# Altium PCB Main_Board.PcbDoc (part 1 of 2) (continued)
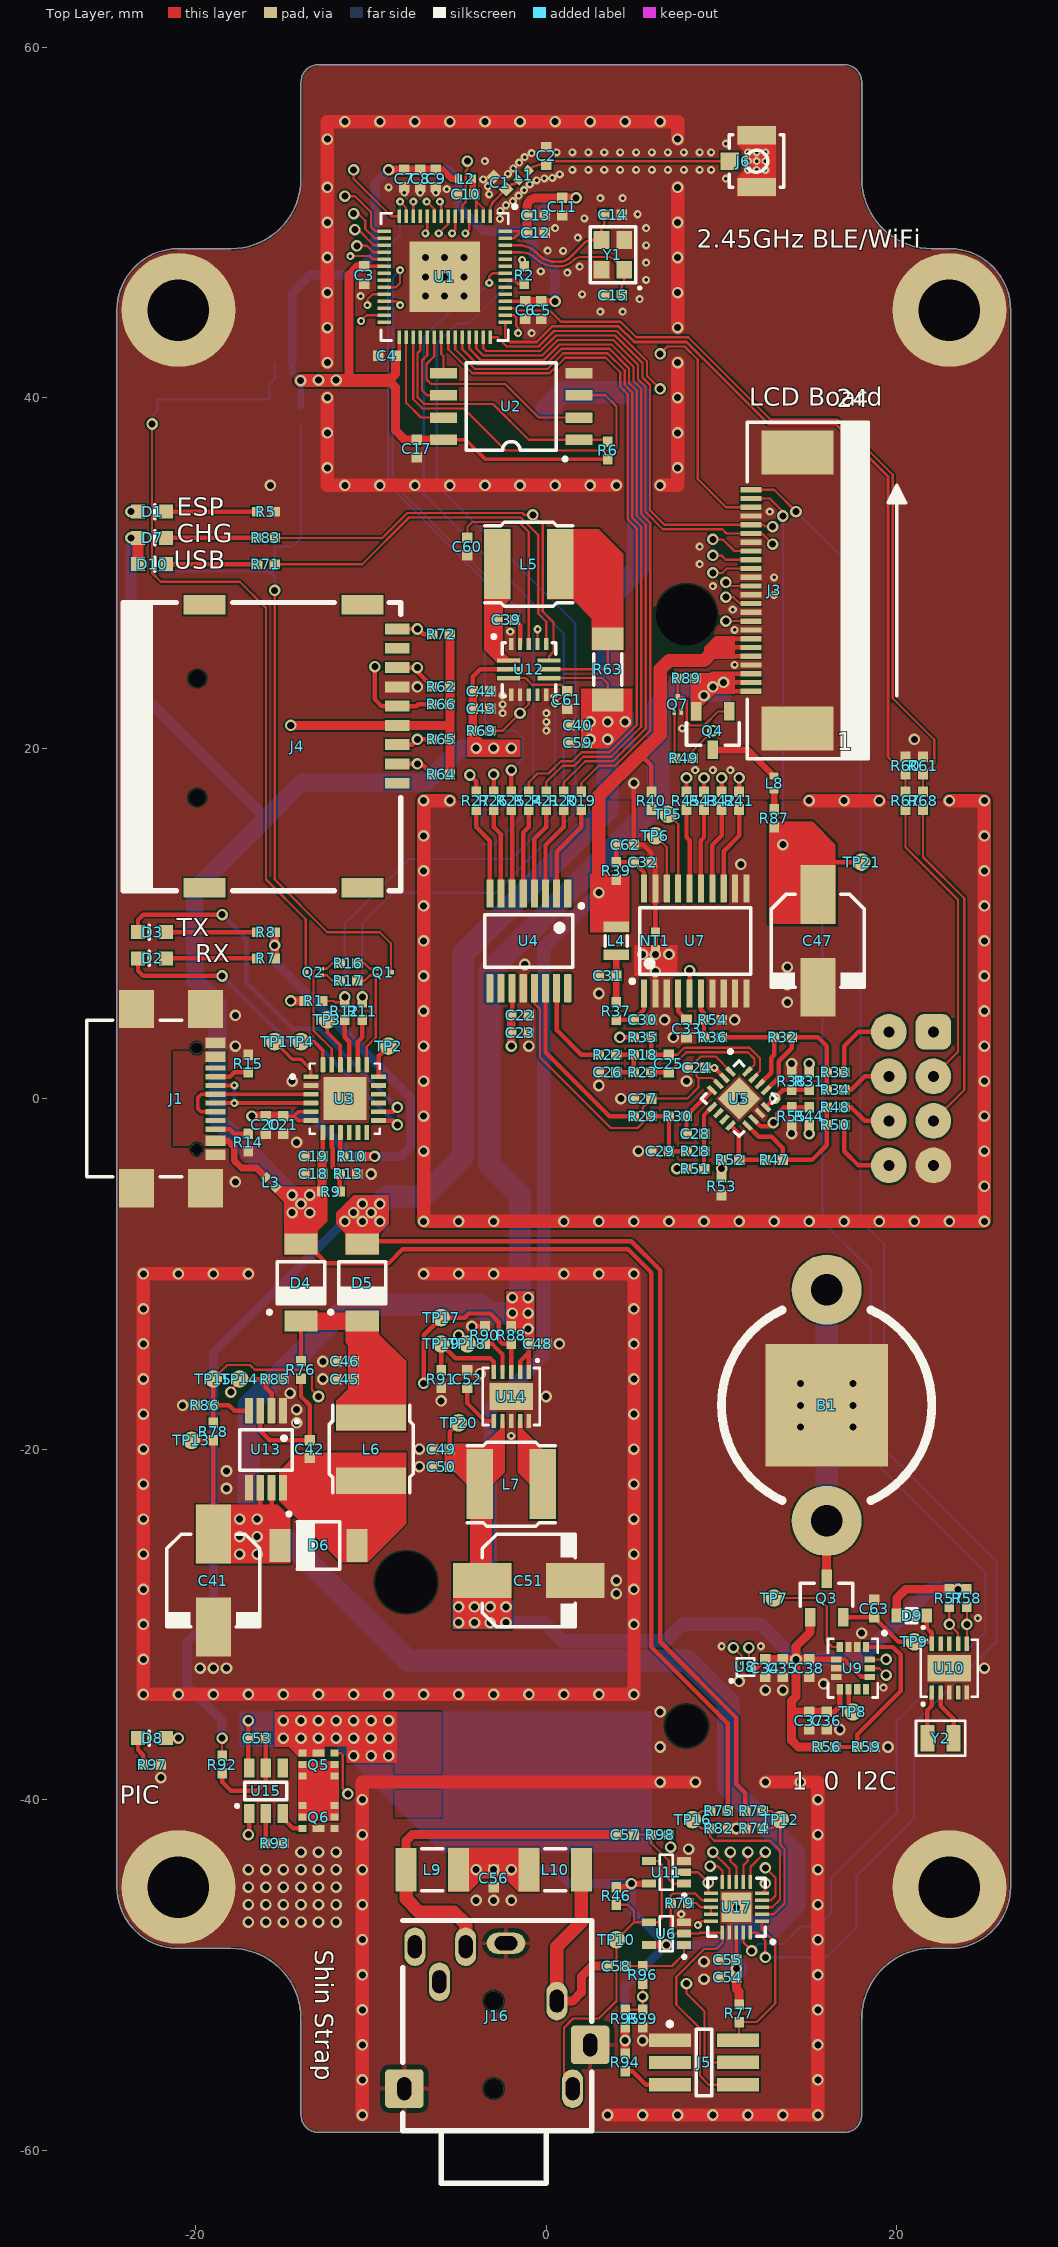
[diagram p0: Top Layer view]
## Part data (continued)
J2: "8 Position Spring Piston Connector Through Hole", Manufacturer="Mill-Max Manufacturing Corp.", Manufacturer Part Number=823-22-008-10-002101, Vendor Part Number=ED8177-08-ND, CreatedBy="Judd Foster", HelpURL=https://www.mill-max.com/catalog/download/2019-08%3A013.pdf, Vendor=Digikey
J3: "24 Position FFC, FPC Connector Contacts, Bottom 0.020\" (0.50mm) Surface Mount, Right Angle", Manufacturer="Adam Tech", Manufacturer Part Number=PCA-6-LA-24-HL-3, Vendor Part Number=2057-PCA-6-LA-24-HL-3-ND, Created By="Judd Foster", HelpURL=https://app.adam-tech.com/products/download/data_sheet/198704/pca-6-la-xx-hl-3-data-sheet.pdf, Vendor=Digikey
J4: library part Conn,MicroSD,SMD,Push-Push, "9 (8 + 1) Position Card Connector Secure Digital - microSD™ Surface Mount, Right Angle Gold", Manufacturer=GCT, Manufacturer Part Number=MEM2075-00-140-01-A, Vendor Part Number=2073-MEM2075-00-140-01-ACT-ND, CreatedBy="Judd Foster", HelpURL=https://gct.co/files/specs/MEM2075-SPEC.pdf, Vendor=Digikey
J5: "Connector Header Surface Mount 6 position 0.050\" (1.27mm)", Manufacturer="Amphenol ICC (FCI)", Manufacturer Part Number=20021121-00006C4LF, Vendor Part Number=609-3693-1-ND, CreatedBy="Judd Foster", HelpURL=https://media.digikey.com/pdf/Data%20Sheets/FCI%20PDFs/Minitek%20127_Catalog.pdf, Vendor=Digikey
J6: library part "Conn,RF,U.FL,50 Ohm,SMD", "U.FL (UMCC) Connector Receptacle, Male Pin 50Ohm Surface Mount Solder", Manufacturer="Hirose Electric Co Ltd", Manufacturer Part Number=U.FL-R-SMT-1(40), Vendor Part Number=H125761CT-ND, CreatedBy="Judd Foster", HelpURL=https://www.hirose.com/product/document?clcode=CL0311-0300-2-40&productname=HRMP-U.FLJ(40)&series=U.FL&documenttype=Catalog&lang=en&documentid=D31697_en, Vendor=Digikey
J16: "3.50mm (0.141\", 1/8\", Mini Plug) - Headphone Phone Jack Stereo (4 Conductor, TRRS) Connector Solder", Manufacturer="CUI Devices", Manufacturer Part Number=SJ-435107RS, Vendor Part Number=CP-435107RS-ND, CreatedBy="Judd Foster", HelpURL=https://www.cuidevices.com/product/resource/digikeypdf/sj-435107.pdf, Vendor=Digikey
L1: library part IND,1.8nH,900mA,Multilayer,0402, "1.8 nH Unshielded Multilayer Inductor 900 mA 100mOhm Max 0402 (1005 Metric)", Manufacturer="Murata Electronics", Manufacturer Part Number=LQG15HN1N8S02D, Vendor Part Number=490-1076-1-ND, CreatedBy="Judd Foster", HelpURL=https://search.murata.co.jp/Ceramy/image/img/P02/JELF243B-0009.pdf, Vendor=Digikey
L2: library part IND,2.7nH,800mA,Multilayer,0402, "2.7nH Unshielded Multilayer Inductor 800mA 150mOhm Max 0402 (1005 Metric)", Manufacturer="Murata Electronics", Manufacturer Part Number=LQG15HS2N7S02D, Vendor Part Number=490-2615-1-ND, CreatedBy="Judd Foster", HelpURL=https://psearch.en.murata.com/inductor/product/LQG15HS2N7S02_.pdf, Vendor=Digikey
L3 L8: library part Ferrite,470R@100MHz,0402, "470 Ohms @ 100 MHz 1 Power Line Ferrite Bead 0402 (1005 Metric) 1A 200mOhm", Manufacturer="Murata Electronics", Manufacturer Part Number=BLM15PX471SN1D, Vendor Part Number=490-10662-1-ND, CreatedBy="Judd Foster", HelpURL=https://www.murata.com/en-us/products/productdata/8796740059166/ENFA0018.pdf, Vendor=Digikey
L4: library part IND,4.7uH,80mA,Multilayer,0805, "4.7 µH Shielded Multilayer Inductor 80 mA 300mOhm 0805 (2012 Metric)", Manufacturer="TDK Corporation", Manufacturer Part Number=MLZ2012E4R7MT000, Vendor Part Number=445-3169-1-ND, CreatedBy="Judd Foster", HelpURL=https://product.tdk.com/en/system/files?file=dam/doc/product/inductor/inductor/smd/catalog/inductor_commercial_decoupling_mlz2012_en.pdf, Vendor=Digikey
L5 L6 L7: library part IND,4.7uH,2.6A,Wirewound,SMD, "4.7µH Shielded Wirewound Inductor 2.6A 45.5mOhm Max Nonstandard", Manufacturer="Taiyo Yuden", Manufacturer Part Number=NRS5030T4R7MMGJV, Vendor Part Number=587-3605-1-ND, CreatedBy="Judd Foster", HelpURL=https://ds.yuden.co.jp/TYCOMPAS/ut/detail?pn=NRS5030T4R7MMGJV%20%20&u=M, Vendor=Digikey
L9 L10: library part IND,1mH,100mA,Wirewound,1210, "1 mH Unshielded Wirewound Inductor 100 mA 16.9Ohm Max 1210 (3225 Metric)", Manufacturer="Taiyo Yuden", Manufacturer Part Number=CBC3225T102MR, Vendor Part Number=587-CBC3225T102MRCT-ND, CreatedBy="Judd Foster", HelpURL=https://ds.yuden.co.jp/TYCOMPAS/ut/detail?pn=CBC3225T102MR%20&u=M, Vendor=Digikey
NT1: Manufacturer=N/A, CreatedBy="Makan Mousavi", HelpURL=N/A, Manufacturer Part Number=N/A, Vendor=N/A, Vendor Part Number=N/A
Q1 Q2 Q7: library part Trans,NPN,40V,200mA,SOT1123, "Bipolar (BJT) Transistor NPN 40 V 200 mA 200MHz 290 mW Surface Mount SOT-1123", Manufacturer="ON Semiconductor", Vendor Part Number=NST3904F3T5GOSCT-ND, CreatedBy="Judd Foster", HelpURL=https://www.onsemi.com/pdf/datasheet/nst3904f3-d.pdf, Manufacturer Part Number=NST3904F3T5G, Vendor=Digikey
Q3 Q4: library part "MOSFET,P Ch,20V,3.2A", "P-Channel 20 V 3.2A (Ta) 1.4W (Ta) Surface Mount SOT-23-3", Manufacturer="Diodes Incorporated", Vendor Part Number=DMP2160UDICT-ND, CreatedBy="Judd Foster", HelpURL=https://media.digikey.com/pdf/Data%20Sheets/Diodes%20PDFs/DMP2160U.pdf, Manufacturer Part Number=DMP2160U-7, Vendor=Digikey
Q5 Q6: library part "MOSFET,N Ch,30V,10A", "N-Channel 30 V 10A (Ta) 2.1W (Ta) Surface Mount DFN2020MD-6", Manufacturer="Nexperia USA Inc.", Vendor Part Number=1727-7662-1-ND, CreatedBy="Ritesh Nandakumar", HelpURL=https://assets.nexperia.com/documents/data-sheet/PMPB25ENE.pdf, Manufacturer Part Number=PMPB25ENEX, Vendor=Digikey
R1 R3 R4 R6 R16 R17 R18 R22 R23 R28 R29 R30 R35 R40 R46 R49 R51 R60 R61 R62 R64 R65 R66 R69 R70 R72 R75 R77 R79 R82 R85 R89 R95 R99: library part RES,10k,5%,0.063W,0402, "10 kOhms ±5% 0.063W, 1/16W Chip Resistor 0402 (1005 Metric) Automotive AEC-Q200 Thick Film", Manufacturer="Stackpole Electronics Inc", Manufacturer Part Number=RMCF0402JT10K0, Vendor Part Number=RMCF0402JT10K0CT-ND, CreatedBy="Judd Foster", HelpURL=https://www.seielect.com/catalog/sei-rmcf_rmcp.pdf, Vendor=DIgikey
R2: library part RES,499R,1%,0.063W,0402, "499 Ohms ±1% 0.063W, 1/16W Chip Resistor 0402 (1005 Metric) Automotive AEC-Q200 Thick Film", Manufacturer="Stackpole Electronics Inc", Manufacturer Part Number=RMCF0402FT499R, Vendor Part Number=RMCF0402FT499RCT-ND, CreatedBy="Judd Foster", HelpURL=https://www.seielect.com/catalog/sei-rmcf_rmcp.pdf, Vendor=Digikey
R5 R92 R97: library part RES,330R,5%,0.063W,0402, "330 Ohms ±5% 0.063W, 1/16W Chip Resistor 0402 (1005 Metric) Automotive AEC-Q200 Thick Film", Manufacturer="Stackpole Electronics Inc", Manufacturer Part Number=RMCF0402JT330R, Vendor Part Number=RMCF0402JT330RCT-ND, CreatedBy="Judd Foster", HelpURL=https://www.seielect.com/catalog/sei-rmcf_rmcp.pdf, Vendor=Digikey
R7 R8: library part RES,150R,1%,0.1W,0402, "150 Ohms ±1% 0.063W, 1/16W Chip Resistor 0402 (1005 Metric) Automotive AEC-Q200, Moisture Resistant Thick Film", Manufacturer="TE Connectivity Passive Product", Manufacturer Part Number=CRGCQ0402F150R, Vendor Part Number=A129617CT-ND, CreatedBy="Judd Foster", HelpURL=https://www.te.com/commerce/DocumentDelivery/DDEController?Action=srchrtrv&DocNm=1773204-3&DocType=DS&DocLang=English, Vendor=Digikey
R9: library part RES,22k,1%,0.063W,0402, "22 kOhms ±1% 0.063W, 1/16W Chip Resistor 0402 (1005 Metric) Automotive AEC-Q200 Thick Film", Manufacturer="Stackpole Electronics Inc", Manufacturer Part Number=RMCF0402FT22K0, Vendor Part Number=RMCF0402FT22K0CT-ND, CreatedBy="Judd Foster", HelpURL=https://www.seielect.com/catalog/sei-rmcf_rmcp.pdf, Vendor=DIgikey
R10 R31 R33 R34 R38 R44 R48 R50 R53 R54 R55 R94: library part RES,1k,5%,0.063W,0402, "1 kOhms ±5% 0.063W, 1/16W Chip Resistor 0402 (1005 Metric) Automotive AEC-Q200 Thick Film", Manufacturer="Stackpole Electronics Inc", Manufacturer Part Number=RMCF0402JT1K00, Vendor Part Number=RMCF0402JT1K00CT-ND, CreatedBy="Judd Foster", HelpURL=https://www.seielect.com/catalog/sei-rmcf_rmcp.pdf, Vendor=DIgikey
R11 R12 R56 R59: library part RES,0R0,0.1W,0402, "0 Ohms Jumper 0.1W, 1/10W Chip Resistor 0402 (1005 Metric) Automotive AEC-Q200 Thick Film", Manufacturer="Panasonic Electronic Components", Manufacturer Part Number=ERJ-2GE0R00X, Vendor Part Number=P0.0JCT-ND, CreatedBy="Judd Foster", HelpURL=https://industrial.panasonic.com/cdbs/www-data/pdf/RDA0000/AOA0000C301.pdf, Vendor=Digikey
R13: library part RES,47k,1%,0.1W,0402, "47 kOhms ±1% 0.1W, 1/10W Chip Resistor 0402 (1005 Metric) Automotive AEC-Q200 Thick Film", Manufacturer="Panasonic Electronic Components", Manufacturer Part Number=ERJ-2RKF4702X, Vendor Part Number=P47.0KLCT-ND, CreatedBy="Judd Foster", HelpURL=https://industrial.panasonic.com/cdbs/www-data/pdf/RDA0000/AOA0000C304.pdf, Vendor=Digikey
R14 R15: library part RES,5k11,1%,0.063W,0402, "5.11 kOhms ±1% 0.063W, 1/16W Chip Resistor 0402 (1005 Metric) Automotive AEC-Q200, Moisture Resistant Thick Film", Manufacturer=Yageo, Manufacturer Part Number=AC0402FR-075K11L, Vendor Part Number=13-AC0402FR-075K11LCT-ND, CreatedBy="Judd Foster", HelpURL=https://www.yageo.com/upload/media/product/productsearch/datasheet/rchip/PYu-AC_51_RoHS_L_7.pdf, Vendor=Digikey
R19 R20 R21 R24 R25 R26 R27 R37 R39 R41 R42 R43 R45 R67 R68 R87: library part RES,10R,1%,0.063W,0402, "10 Ohms ±1% 0.063W, 1/16W Chip Resistor 0402 (1005 Metric) Automotive AEC-Q200 Thick Film", Manufacturer="Panasonic Electronic Components", Manufacturer Part Number=ERJ-2RKF10R0X, Vendor Part Number=P10.0LCT-ND, CreatedBy="Judd Foster", HelpURL=https://industrial.panasonic.com/cdbs/www-data/pdf/RDA0000/AOA0000C304.pdf, Vendor=Digikey
R32 R47 R73 R74 R78: library part RES,300k,1%,0.063W,0402, "300 kOhms ±1% 0.063W, 1/16W Chip Resistor 0402 (1005 Metric) Automotive AEC-Q200 Thick Film", Manufacturer="Stackpole Electronics Inc", Manufacturer Part Number=RMCF0402FT300K, Vendor Part Number=RMCF0402FT300KCT-ND, CreatedBy="Judd Foster", HelpURL=https://www.seielect.com/catalog/sei-rmcf_rmcp.pdf, Vendor=Digikey
R36 R52 R71 R83: library part RES,560R,1%,0.063W,0402, "560 Ohms ±1% 0.063W, 1/16W Chip Resistor 0402 (1005 Metric) Automotive AEC-Q200, Moisture Resistant Thick Film", Manufacturer="TE Connectivity Passive Product", Manufacturer Part Number=CRGCQ0402F560R, Vendor Part Number=A129624CT-ND, CreatedBy="Judd Foster", HelpURL=https://www.te.com/commerce/DocumentDelivery/DDEController?Action=srchrtrv&DocNm=1773204-3&DocType=DS&DocLang=English, Vendor=Digikey
R57 R58: library part RES,2k55,1%,0.063W,0402, "2.55 kOhms ±1% 0.063W, 1/16W Chip Resistor 0402 (1005 Metric) Automotive AEC-Q200 Thick Film", Manufacturer="Stackpole Electronics Inc", Manufacturer Part Number=RMCF0402FT2K55, Vendor Part Number=RMCF0402FT2K55CT-ND, CreatedBy="Judd Foster", HelpURL=https://www.seielect.com/catalog/sei-rmcf_rmcp.pdf, Vendor=Digikey
R63: library part RES,50m,1%,0.5W,1206, "50 mOhms ±1% 0.5W, 1/2W Chip Resistor 1206 (3216 Metric) Current Sense Metal Film", Manufacturer=Ohmite, Manufacturer Part Number=KDV12FR050ET, Vendor Part Number=273-KDV12FR050ETCT-ND, CreatedBy="Judd Foster", HelpURL=https://www.ohmite.com/assets/docs/res_kdv.pdf?r=false, Vendor=Digikey
R76: library part RES,150k,1%,0.1W,0402, "150 kOhms ±1% 0.063W, 1/16W Chip Resistor 0402 (1005 Metric) Automotive AEC-Q200 Thick Film", Manufacturer="Stackpole Electronics Inc", Manufacturer Part Number=RMCF0402FT150K, Vendor Part Number=RMCF0402FT150KCT-ND, CreatedBy="Judd Foster", HelpURL=https://www.seielect.com/catalog/sei-rmcf_rmcp.pdf, Vendor=Digikey
R84: library part RES,Thermistor,3380K,0402, "NTC Thermistor 10k 0402 (1005 Metric)", Manufacturer="Murata Electronics", Manufacturer Part Number=NCU15XH103J6SRC, Vendor Part Number=490-NCU15XH103J6SRCCT-ND, CreatedBy="Judd Foster", HelpURL=https://www.murata.com/en-us/api/pdfdownloadapi?cate=luNTCforTempeSenso&partno=NCU15XH103J6SRC, Vendor=Digikey
R86 R88 R90 R91: library part RES,100k,5%,0.1W,0402, "100 kOhms ±5% 0.1W, 1/10W Chip Resistor 0402 (1005 Metric) Automotive AEC-Q200 Thick Film", Manufacturer="Panasonic Electronic Components", Manufacturer Part Number=ERJ-2GEJ104X, Vendor Part Number=P100KJCT-ND, CreatedBy="Judd Foster", HelpURL=https://b2b-api.panasonic.eu/file_stream/pids/fileversion/1242, Vendor=Digikey
R93: library part RES,2k7,1%,0.063W,0402, "2.7 kOhms ±1% 0.063W, 1/16W Chip Resistor 0402 (1005 Metric) Automotive AEC-Q200 Thick Film", Manufacturer="Stackpole Electronics Inc", Manufacturer Part Number=RMCF0402FT2K70, Vendor Part Number=RMCF0402FT2K70CT-ND, CreatedBy="Judd Foster", HelpURL=https://www.seielect.com/catalog/sei-rmcf_rmcp.pdf, Vendor=Digikey
R96 R98: library part RES,470k,5%,0.063W,0402, "470 kOhms ±5% 0.063W, 1/16W Chip Resistor 0402 (1005 Metric) Automotive AEC-Q200 Thick Film", Manufacturer="Stackpole Electronics Inc", Manufacturer Part Number=RMCF0402JT470K, Vendor Part Number=RMCF0402JT470KCT-ND, CreatedBy="Judd Foster", HelpURL=https://www.seielect.com/catalog/sei-rmcf_rmcp.pdf, Vendor=Digikey
SW1 SW2: library part Switch,Tactile,SPST-NO,SMD,H1.5, "Tactile Switch SPST-NO Top Actuated Surface Mount", Manufacturer=C&K, Manufacturer Part Number="PTS525SM15SMTR2 LFS", Vendor Part Number=CKN9104CT-ND, CreatedBy="Judd Foster", HelpURL=https://www.ckswitches.com/media/1467/pts525.pdf, Vendor=Digikey
TP1 TP2 TP3 TP4 TP5 TP6 TP7 TP8 TP9 TP10 TP12 TP13 TP14 TP15 TP16 TP17 TP18 TP19 TP20 TP21: "PCB Testpoint", Manufacturer=N/A, CreatedBy="Judd Foster", HelpURL=N/A, Manufacturer Part Number=N/A, Vendor=N/A, Vendor Part Number=N/A
U1: "IC RF TxRx + MCU Bluetooth, WiFi 802.11b/g/n, Bluetooth v5.0 2.412GHz ~ 2.484GHz 56-VFQFN Exposed Pad", Manufacturer="Espressif Systems", Vendor Part Number=1904-ESP32-S3R8-ND, CreatedBy="Judd Foster", HelpURL=https://www.espressif.com/sites/default/files/documentation/esp32-s3_datasheet_en.pdf, Manufacturer Part Number=ESP32-S3R8, Vendor=Digikey
U2: "FLASH - NOR Memory IC 128Mb (16M x 8) SPI - Quad I/O 133 MHz 8-SOIC", Manufacturer="Adesto Technologies", Vendor Part Number=1265-1348-1-ND, CreatedBy="Judd Foster", HelpURL=https://www.dialog-semiconductor.com/sites/default/files/2021-02/DS-AT25SF128A-168.pdf, Manufacturer Part Number=AT25SF128A-SHB-T, Vendor=Digikey
U3: "USB Bridge, USB to UART USB 2.0 UART Interface 24-QFN (4x4)", Manufacturer="Silicon Labs", Vendor Part Number=336-5888-1-ND, CreatedBy="Judd Foster", HelpURL=https://www.silabs.com/documents/public/data-sheets/cp2102n-datasheet.pdf, Manufacturer Part Number=CP2102N-A02-GQFN24R, Vendor=Digikey
U4: "DAC, Audio 24 b 200k I²S 16-SSOP", Manufacturer="Texas Instruments", Vendor Part Number=296-41373-1-ND, CreatedBy="Judd Foster", HelpURL=https://www.ti.com/general/docs/suppproductinfo.tsp?distId=10&gotoUrl=https%3A%2F%2Fwww.ti.com%2Flit%2Fgpn%2Fpcm1780, Manufacturer Part Number=PCM1780DBQR, Vendor=Digikey
U5: "General Purpose Amplifier 4 Circuit Rail-to-Rail 16-WQFN (3x3)", Manufacturer="Texas Instruments", Vendor Part Number=296-51829-1-ND, CreatedBy="Judd Foster", HelpURL=https://www.ti.com/general/docs/suppproductinfo.tsp?distId=10&gotoUrl=https%3A%2F%2Fwww.ti.com%2Flit%2Fgpn%2Ftlv9004, Manufacturer Part Number=TLV9004SIRTER, Vendor=Digikey
U6 U11: "1 Circuit IC Switch 1:1 15Ohm SC-88A (SC-70-5/SOT-353)", Manufacturer=onsemi, Vendor Part Number=NS5B1G384DFT2GOSCT-ND, CreatedBy="Judd Foster", HelpURL=https://www.onsemi.com/pdf/datasheet/ns5b1g384-d.pdf, Manufacturer Part Number=NS5B1G384DFT2G, Vendor=Digikey
U7: "24 Bit Analog to Digital Converter 1 Input 1 Sigma-Delta 20-TSSOP", Manufacturer="Microchip Technology", Vendor Part Number=150-MCP3561RT-E/STCT-ND, CreatedBy="Judd Foster", HelpURL=https://ww1.microchip.com/downloads/en/DeviceDoc/MCP3561.2.4R-Data-Sheet-DS200006391A.pdf, Manufacturer Part Number=MCP3561RT-E/ST, Vendor=Digikey
U8: "Magnetoresistive Sensor X, Y, Z Axis 4-WLP (0.85x0.85)", Manufacturer="Memsic Inc.", Vendor Part Number=1267-MMC5633NJLCT-ND, CreatedBy="Judd Foster", HelpURL=https://media.digikey.com/pdf/Data%20Sheets/MEMSIC%20PDFs/MMC5633NJL_RevA_3-12-20.pdf, Manufacturer Part Number=MMC5633NJL, Vendor=Digikey
U9: "Accelerometer, Gyroscope, Temperature, 6 Axis Sensor I²C, SPI Output", Manufacturer=STMicroelectronics, Vendor Part Number=497-19784-1-ND, CreatedBy="Judd Foster", HelpURL=https://www.st.com/resource/en/datasheet/ism330dhcx.pdf, Manufacturer Part Number=ISM330DHCXTR, Vendor=Digikey
U10: "Real Time Clock (RTC) IC Clock/Calendar - I²C, 2-Wire Serial 10-XFDFN Exposed Pad", Manufacturer="NXP USA Inc.", Vendor Part Number=568-10235-1-ND, CreatedBy="Judd Foster", HelpURL=https://www.nxp.com/docs/en/data-sheet/PCF85063A.pdf, Manufacturer Part Number=PCF85063ATL/1,118, Vendor=Digikey
U12: "Charger IC Lithium Ion/Polymer 16-QFN (3x3)", Manufacturer="Monolithic Power Systems Inc.", Vendor Part Number=1589-MP2615AGQ-ZCT-ND, CreatedBy="Judd Foster", HelpURL=https://www.monolithicpower.com/en/documentview/productdocument/index/version/2/document_type/Datasheet/lang/en/sku/MP2615AGQ-Z/document_id/1433/, Manufacturer Part Number=MP2615AGQ-Z, Vendor=Digikey
U13: "Boost Switching Regulator IC Positive Adjustable 1.24V 1 Output 2.2A (Switch) 8-TSSOP, 8-MSOP (0.118\", 3.00mm Width)", Manufacturer="Texas Instruments", Vendor Part Number=LM2623AMM/NOPBCT-ND, CreatedBy="Judd Foster", HelpURL=https://www.ti.com/general/docs/suppproductinfo.tsp?distId=10&gotoUrl=https%3A%2F%2Fwww.ti.com%2Flit%2Fgpn%2Flm2623, Manufacturer Part Number=LM2623AMM/NOPB, Vendor=Digikey
U14: "Buck Switching Regulator IC Positive Fixed 3.3V 1 Output 2A 10-UFDFN Exposed Pad", Manufacturer="Nisshinbo Micro Devices Inc.", Vendor Part Number=2129-RP506K331B-CT-ND, CreatedBy="Judd Foster", HelpURL=https://www.nisshinbo-microdevices.co.jp/en/pdf/datasheet/rp506-ea.pdf, Manufacturer Part Number=RP506K331B-TR, Vendor=Digikey
U15: "Battery Battery Protection IC Lithium Ion/Polymer SOT-26", Manufacturer="Diodes Incorporated", Vendor Part Number=AP9101CAK6-ANTRG1DICT-ND, CreatedBy="Judd Foster", HelpURL=https://www.diodes.com/assets/Datasheets/AP9101C.pdf, Manufacturer Part Number=AP9101CAK6-ANTRG1, Vendor=Digikey
U17: "PIC series Microcontroller IC 8-Bit 64MHz 16KB (16K x 8) FLASH 20-VQFN (3x3)", Manufacturer="Microchip Technology", Vendor Part Number=150-PIC18F14Q40-I/REB-ND, CreatedBy="Judd Foster", HelpURL=https://ww1.microchip.com/downloads/en/DeviceDoc/PIC18F04-05-14-15-Q40-1420-Pin-Low-Power-High-Performance-Microcontroller-With-XLP-Technology-Data-Sheet-40002236B.pdf, Manufacturer Part Number=PIC18F14Q40-I/REB, Vendor=Digikey
Y1: library part XTAL,40MHz,12pF,SMD, "40 MHz ±7ppm Crystal 12pF 25 Ohms 4-SMD, No Lead", Manufacturer="Hosonic Electronic Co., Ltd", Manufacturer Part Number=E2SB40E000104E, Vendor Part Number=3186-E2SB40E000104ECT-ND, CreatedBy="Judd Foster", HelpURL=https://ecsxtal.com/store/pdf/ECS-33B.pdf, Vendor=Digikey
Y2: library part XTAL,32.768kHz,9pF,SMD, "32.768 kHz ±20ppm Crystal 9pF 70 kOhms 2-SMD, No Lead", Manufacturer="Micro Crystal AG", Manufacturer Part Number=CM8V-T1A-32.768KHZ-9PF-20PPM-TA-QC, Vendor Part Number=2195-CM8V-T1A-32.768KHZ-9PF-20PPM-TA-QCCT-ND, CreatedBy="Judd Foster", HelpURL=https://www.microcrystal.com/fileadmin/Media/Products/32kHz/Datasheet/CM8V-T1A.pdf, Vendor=Digikey

## Free pads (board coordinates)
  round 6.5 hole 3.5 mask+0.05: 0(-21,-45) 0(-21,45) 0(23,-45) 0(23,45)

## Via types
v1: diameter 0.66, hole 0.4, Top Layer to Bottom Layer, tented both sides, 434 vias
v2: diameter 0.46, hole 0.2, Top Layer to Bottom Layer, tented both sides, 126 vias

## Nets (pads, with @x,y where several pads share a name; then routed paths per layer and width w, separated by ;. In a path a pad name is that pad's centre, name@x,y a point inside that pad or via, vN(x,y) a via of type N, cw(c..) or ccw(c..) an arc to the next point about the centre after c; other vN are vias at no path point)
A_GND: C22.1 C23.1 C24.1 C26.1 C27.2 C29.1 C30.1 C31.2 C33.1 C47.2 J2.4 NT1.2 R38.1 R53.2 R54.2 R55.1 U4.12 U5.11 U5.17 U7.2 U7.3 U7.7 U7.8 U7.9 U7.10 U7.11 U7.12 | length 90
  Top Layer w0.254: U7.2@6.225,6 NT1.2@6.225,8.492
  Top Layer w0.762: v1(-5.5,17) v1(-7,17) v1(-7,15) v1(-7,13) v1(-7,11) v1(-7,9) v1(-7,7) v1(-7,5) v1(-7,3) v1(-7,1) v1(-7,-1) v1(-7,-3) v1(-7,-7) v1(25,-7) v1(25,-5) v1(25,-3) v1(25,-1) v1(25,1) v1(25,3) v1(25,17) v1(23,17) ; v1(15,17) v1(17,17) v1(19,17)
  other v1: -5,-7 -3,-7 1,-7 3,-7 5,-7 7,-7 9,-7 11,-7 13,-7 15,-7 17,-7 19,-7 21,-7 23,-7 5.25,-3 14,-2 4.25,0 11,0 3,0.75 8,1 14,2 -1,3 7.25,3.5 6.75,4.5 10.75,4.5 25,5 13.75,5.5 3,6 13.75,6.5 25,7 6.225,7.246 13.75,7.5 -1.23,7.653 5.5,8.238 6.225,8.238 7,8.238 25,9 25,11 25,13 11.101,13.375 25,15
BTN1: J3.24 U17.20 | length 99.8
  Top Layer w0.127: U17.20@11.65,-47.6 12.052,-47.6 12.5,-48.048 v1(12.5,-49) ; J3.24@11.675,34.75 13,34.75 v1(14.25,33.5)
  Bottom Layer w0.127: v1(12.5,-49) 15.985,-49 17.685,-47.3 17.685,-44.364 20.984,-41.065 20.984,-35.692 25.695,-30.981 25.695,-26.407 19.279,-19.991 19.279,-8.281 17.935,-6.937 17.935,20.065 16.829,21.171 16.829,30.921 v1(14.25,33.5)
BTN2: J3.23 U17.19 | length 97.2
  Top Layer w0.127: U17.19@11.25,-47.6 11.25,-48.157 v1(11.722,-48.629) ; J3.23@11.675,34.25 12.75,34.25 13.5,33.5 v1(13.5,33.25)
  Bottom Layer w0.127: v1(11.722,-48.629) 12.101,-48.25 13.5,-48.25 14.5,-47.25 15.5,-47.25 16.25,-46.5 16.25,-44.5 20,-40.75 20,-35.5 25.07,-30.43 25.07,-27.07 18.5,-20.5 18.5,-9.75 15.75,-7 15.75,13.75 13.5,16 v1(13.5,33.25)
CMPO/RX: R79.1 U17.13 U17.14 | length 1.8
  Top Layer w0.127: R79.1@8.105,-45.905 8.553,-45.905 8.798,-46.15 U17.13@9.4,-46.15 U17.14@9.4,-46.55
CP2102_USB_N: J1.A7 J1.B7 U3.4 | length 7.5
  Top Layer w0.203: J1.A7@-18.875,-0.25 v2(-17.8,-0.25) U3.4@-13.435,-0.25 ; J1.B7@-18.875,0.75 v2(-17.8,0.75)
  Bottom Layer w0.203: v2(-17.8,-0.25) v2(-17.8,0.75)
CP2102_USB_P: J1.A6 J1.B6 U3.3 | length 8.2
  Top Layer w0.203: J1.B6@-18.875,-0.75 -19.704,-0.75 -19.88,-0.573 -19.88,0.068 -19.699,0.25 J1.A6@-18.875,0.25 ; J1.A6@-18.87,0.25 J1.A6@-18.875,0.25 ; U3.3@-13.435,0.25 J1.A6@-18.875,0.25
DATAN/PGC: J5.5 U11.2 U17.11 U17.15 | length 16.2
  Top Layer w0.127: U11.2@7.85,-44.15 8.655,-44.15 v1(9.241,-44.736) 9.241,-45.35 U17.11@9.4,-45.35 ; v1(8,-50.5) 8,-51.047 9.028,-52.074 9.028,-54.69 9.337,-55 J5.5@10.95,-55 ; v2(8.647,-47.163) 8.859,-46.95 U17.15@9.4,-46.95
  Layer 4 w0.127: v1(8,-50.5) 8,-49 8.647,-48.353 v2(8.647,-47.163) 8.647,-46.298 9.241,-45.703 v1(9.241,-44.736)
DATAP/PGD: J5.4 R79.2 U6.2 U17.12 U17.16 | length 20.2
  Top Layer w0.127: U17.12@9.371,-45.721 U17.12@9.4,-45.75 8.889,-45.75 8.497,-45.357 7.229,-45.357 7.105,-45.481 R79.2@7.105,-45.905 7.105,-47.467 7.289,-47.65 U6.2@7.85,-47.65 8.7,-47.65 8.75,-47.6 U17.16@10.05,-47.6 10.05,-48.178 9.699,-48.529 9.014,-48.529 7.413,-50.13 7.413,-51.707 8.764,-53.058 8.764,-55.764 9.27,-56.27 J5.4@10.95,-56.27
DETECT_1: R60.2 R67.1 U1.43 | length 45.1
  Top Layer w0.127: R67.1@20.5,17.5 R60.2@20.5,18.5
  Top Layer w0.147: U1.43@-2.346,44.3 -2.346,43.46 -2.066,43.18 -0.556,43.18 0.333,44.069 3.774,44.069 4.132,44.069 5.021,43.18 7.998,43.18 12.678,38.5 16.5,38.5 19.5,35.5 19.5,19.5 R60.2@20.5,18.5
DETECT_2: R61.2 R68.1 U1.45 | length 45.4
  Top Layer w0.127: U1.45@-2.346,45.1 -1.79,45.1 -1.67,44.981 0.195,44.981 0.842,44.333 4.241,44.333 4.294,44.28 5.13,43.444 8.107,43.444 12.787,38.764 16.609,38.764 19.764,35.609 19.764,22.848 22.132,20.48 22.132,19.132 R61.2@21.5,18.5 R68.1@21.5,17.5
ESP32_CHIP_PU: C16.2 Q1.3 R4.2 SW2.3 SW2.4 U1.4 | length 80.1
  Top Layer w0.127: v1(-15.5,29) -15.5,12.5 -12.5,9.5 -9.5,9.5 -8.87,8.87 Q1.3@-8.87,7.225 ; v2(-4.621,49.38) -4.4,49.601 U1.4@-4.4,50.354
  Layer 4 w0.127: v1(-15.5,29) -15.5,33.65 -15.156,33.994 -15.156,40.985 -15.156,41.907 -13.037,44.026 -13.037,52.145 -12.537,52.645 -11.909,52.645 -11.709,52.445 -7.856,52.445 -5.453,52.445 -5.008,52 -5.008,50.79 -4.621,50.403 v2(-4.621,49.38)
  Bottom Layer w0.127: SW2.4@-22.2,30.1 SW2.3@-15.8,30.1 -15.5,29.8 v1(-15.5,29) ; SW2.3@-15.5,30.4 C16.2@-15.5,31.5 -14.5,31.5 -14,32 R4.2@-14,38.5
  Bottom Layer w0.381: SW2.3@-15.8,30.1 SW2.3@-15.5,30.4
ESP32_GPIO0: J3.22 Q2.3 R3.2 SW1.1 SW1.2 U1.5 | length 111
  Top Layer w0.127: v1(-22.5,38.5) -22.5,30 -22,29.5 -17.5,29.5 -16,28 -16,12.5 -13.73,10.23 Q2.3@-13.73,7.225 ; U1.5@-4.8,50.354 -4.8,50.969 -4.6,51.169 -4.6,52.943 -4.5,53.043 v1(-4.5,53.5) ; v1(6.5,42.5) 6.916,42.916 7.889,42.916 8.636,42.169 8.636,35.364 10.25,33.75 J3.22@11.675,33.75
  Layer 4 w0.127: v1(-22.5,38.5) -18.757,38.5 -16.5,40.757 -16.5,45 -13.545,47.955 -13.545,52.356 -13.46,52.44 -12.747,53.153 -11.88,54.021 -7.69,54.021 -7.17,53.5 v1(-4.5,53.5) -4.5,51.161 -3.159,49.82 -2.342,49.82 0.397,47.081 0.397,46.67 4.567,42.5 v1(6.5,42.5)
  Bottom Layer w0.127: v1(-22.5,38.5) -22.5,38.954 -22.2,39.254 SW1.2@-22.2,39.9 SW1.1@-15.8,39.9 -15.8,40.8 -15.5,41.1 R3.2@-15.5,42
ESP32_LED: D1.1 U1.14 | length 31
  Top Layer w0.127: v1(-11,53) -11,52.5 -8.854,50.354 U1.14@-8.4,50.354
  Layer 4 w0.127: v1(-23.7,33.5) -21.364,33.5 -15.5,39.364 -15.5,43.821 -13.291,46.03 -13.291,52.251 -13.186,52.355 -12.642,52.899 -11.876,52.899 -11.776,53 v1(-11,53)
ESP32_UART_CTS: TP2.1 U3.18 | length 2
  Top Layer w0.254: U3.18@-9.565,1.25 -9.565,2.435 TP2.1@-9,3
ESP32_UART_DCD: TP4.1 U3.24 | length 2.3
  Top Layer w0.203: TP4.1@-14,3.25 -13.25,3.25 -12.75,2.75 U3.24@-12.75,1.935